# Allegro board SDHCalFEB.brd (continued)
## Routing (per net, layer and track width the routed paths; a pad name or vN(x,y) marks a point on that pad's centre or on a via; arc(x,y) is an arc through that point) (continued)
ESD_SIGNAL5_ASIC_A1: length 3.2
  TOP w0.127: C5.1 311.58,326.21 311.59,326.2 R5.2 312.78,326.2 312.79,326.2 U5.3
ESD_SIGNAL5_ASIC_A2: length 3.1
  TOP w0.127: U70.3 232.81,326.22 232.8,326.21 R89.2 231.32,326.21 231.31,326.2 C92.1
ESD_SIGNAL5_ASIC_A3: length 3.2
  TOP w0.127: C179.1 151.32,326.17 151.32,326.17 R172.2 152.79,326.17 152.81,326.16 U135.3
ESD_SIGNAL5_ASIC_A4: length 3.1
  TOP w0.127: U200.3 73.75,326.2 R255.2 70.69,326.2 C266.1
ESD_SIGNAL5_ASIC_B1: length 3.1
  TOP w0.127: C353.1 311.29,246.21 311.29,246.21 R338.2 312.79,246.21 312.8,246.22 U265.3
ESD_SIGNAL5_ASIC_B5: length 3.1
  TOP w0.127: U330.3 232.82,246.2 232.8,246.21 R422.2 231.31,246.21 231.31,246.21 C440.1
ESD_SIGNAL5_ASIC_B6: length 3.1
  TOP w0.127: 153.8,246.17 153.78,246.19 R505.2 150.72,246.19 C527.1
ESD_SIGNAL5_ASIC_B7: length 3.1
  TOP w0.127: U460.3 72.8,246.2 72.78,246.19 R588.2 71.59,246.19 71.59,246.18 C614.1
ESD_SIGNAL5_ASIC_C1: length 3.1
  TOP w0.127: C701.1 312.19,166.15 R671.2 313.75,166.15 U525.3
ESD_SIGNAL5_ASIC_C2: length 3.1
  TOP w0.127: U590.3 232.22,166.19 R755.2 230.71,166.18 C788.1
ESD_SIGNAL5_ASIC_C3: length 3.1
  TOP w0.127: U655.3 153.73,166.18 R838.2 152.19,166.17 C875.1
ESD_SIGNAL5_ASIC_C4: length 3.1
  TOP w0.127: U720.3 72.2,166.16 R921.2 70.69,166.15 C962.1
ESD_SIGNAL5_ASIC_D1: length 3.1
  TOP w0.127: C1049.1 310.7,86.17 R1004.2 312.2,86.18 U785.3
ESD_SIGNAL5_ASIC_D2: length 3
  TOP w0.127: U850.3 232.2,86.15 R1088.2 230.71,86.16 C1136.1
ESD_SIGNAL5_ASIC_D3: length 3.1
  TOP w0.127: U915.3 153.73,86.14 R1171.2 150.7,86.14 C1223.1
ESD_SIGNAL5_ASIC_D4: length 3
  TOP w0.127: C1310.1 70.72,86.14 R1254.2 72.22,86.13 U980.3
ESD_SIGNAL6_ASIC_A1: length 3
  TOP w0.127: C6.1 309.16,330.67 309.16,330.67 R6.2 310.35,330.67 310.36,330.67 U6.3
ESD_SIGNAL6_ASIC_A2: length 3.1
  TOP w0.127: U71.3 230.31,330.67 230.29,330.68 R90.2 228.83,330.68 228.82,330.7 C93.1
ESD_SIGNAL6_ASIC_A3: length 3.2
  TOP w0.127: U136.3 152.34,330.68 152.34,330.67 R173.2 151.14,330.67 151.14,330.67 C180.1
ESD_SIGNAL6_ASIC_A4: length 3.1
  TOP w0.127: U201.3 71.32,330.67 R256.2 69.72,330.67 C267.1
ESD_SIGNAL6_ASIC_B1: length 3.1
  TOP w0.127: C354.1 308.83,250.68 308.84,250.66 R339.2 310.32,250.66 310.33,250.67 U266.3
ESD_SIGNAL6_ASIC_B5: length 3.1
  TOP w0.127: U331.3 229.75,250.67 R423.2 228.26,250.66 C441.1
ESD_SIGNAL6_ASIC_B6: length 3.1
  TOP w0.127: U396.3 150.56,250.67 150.55,250.66 R506.2 149.14,250.66 149.12,250.68 C528.1
ESD_SIGNAL6_ASIC_B7: length 3.1
  TOP w0.127: U461.3 70.35,250.67 70.35,250.66 R589.2 69.15,250.66 69.14,250.65 C615.1
ESD_SIGNAL6_ASIC_C1: length 3
  TOP w0.127: C702.1 306.75,173.73 R672.2 305.21,173.74 U526.3
ESD_SIGNAL6_ASIC_C2: length 3
  TOP w0.127: U591.3 225.2,173.71 R756.2 226.74,172.22 C789.1
ESD_SIGNAL6_ASIC_C3: length 3
  TOP w0.127: U656.3 145.19,173.71 R839.2 146.73,172.22 C876.1
ESD_SIGNAL6_ASIC_C4: length 3
  TOP w0.127: U721.3 66.73,173.72 R922.2 66.74,172.22 C963.1
ESD_SIGNAL6_ASIC_D1: length 3.1
  TOP w0.127: U786.3 309.78,90.67 R1005.2 308.29,90.67 C1050.1
ESD_SIGNAL6_ASIC_D2: length 3.1
  TOP w0.127: U851.3 231.31,90.67 R1089.2 229.76,90.68 C1137.1
ESD_SIGNAL6_ASIC_D3: length 3
  TOP w0.127: U916.3 151.28,90.67 R1172.2 149.75,90.66 C1224.1
ESD_SIGNAL6_ASIC_D4: length 3
  TOP w0.127: C1311.1 68.29,90.67 R1255.2 69.78,90.67 U981.3
ESD_SIGNAL7_ASIC_A1: length 3.1
  TOP w0.127: U7.3 300.69,327.68 R7.2 300.68,327.67 C7.1
ESD_SIGNAL7_ASIC_A2: length 3.1
  TOP w0.127: U72.3 222.8,326.2 222.79,326.21 R91.2 221.6,326.21 221.59,326.2 C94.1
ESD_SIGNAL7_ASIC_A3: length 3.1
  TOP w0.127: U137.3 142.8,326.23 142.79,326.22 R174.2 141.32,326.22 141.31,326.22 C181.1
ESD_SIGNAL7_ASIC_A4: length 3.2
  TOP w0.127: C268.1 61.3,326.2 61.31,326.2 R257.2 62.2,326.77 62.18,326.79 U202.3
ESD_SIGNAL7_ASIC_B1: length 3.1
  TOP w0.127: U267.3 303.8,246.21 R340.2 300.72,246.21 C355.1
ESD_SIGNAL7_ASIC_B5: length 3.1
  TOP w0.127: U332.3 222.81,246.17 222.8,246.19 R424.2 221.3,246.19 221.3,246.18 C442.1
ESD_SIGNAL7_ASIC_B6: length 3.1
  TOP w0.127: U397.3 143.78,246.19 R507.2 140.67,246.19 C529.1
ESD_SIGNAL7_ASIC_B7: length 3.1
  TOP w0.127: C616.1 61.58,246.18 61.58,246.19 R590.2 62.99,246.19 63,246.2 U462.3
ESD_SIGNAL7_ASIC_C1: length 3.1
  TOP w0.127: C703.1 300.69,166.18 R673.2 303.75,166.18 U527.3
ESD_SIGNAL7_ASIC_C2: length 3.1
  TOP w0.127: U592.3 223.74,166.15 R757.2 220.71,166.15 C790.1
ESD_SIGNAL7_ASIC_C3: length 3.1
  TOP w0.127: U657.3 143.73,166.15 R840.2 140.7,166.15 C877.1
ESD_SIGNAL7_ASIC_C4: length 3.1
  TOP w0.127: U722.3 62.22,166.16 R923.2 60.71,166.18 C964.1
ESD_SIGNAL7_ASIC_D1: length 3
  TOP w0.127: C1051.1 300.71,86.16 R1006.2 302.2,86.15 U787.3
ESD_SIGNAL7_ASIC_D2: length 3.1
  TOP w0.127: C1138.1 220.71,86.17 R1090.2 222.21,86.15 U852.3
ESD_SIGNAL7_ASIC_D3: length 3
  TOP w0.127: C1225.1 140.7,86.17 R1173.2 143.7,86.17 U917.3
ESD_SIGNAL7_ASIC_D4: length 3
  TOP w0.127: C1312.1 60.71,86.14 R1256.2 63.72,86.14 U982.3
ESD_SIGNAL8_ASIC_A1: length 3.1
  TOP w0.127: C8.1 298.19,330.67 R8.2 299.71,330.66 U8.3
ESD_SIGNAL8_ASIC_A2: length 3
  TOP w0.127: C95.1 219.1,330.7 219.12,330.68 R92.2 220.31,330.68 220.32,330.67 U73.3
ESD_SIGNAL8_ASIC_A3: length 3.1
  TOP w0.127: U138.3 140.33,330.68 140.32,330.67 R175.2 138.85,330.67 138.85,330.67 C182.1
ESD_SIGNAL8_ASIC_A4: length 3.1
  TOP w0.127: U203.3 58.21,331.41 58.21,331.41 R258.2 57.33,332.21 57.32,332.19 C269.1
ESD_SIGNAL8_ASIC_B1: length 3.1
  TOP w0.127: U268.3 300.32,250.69 300.32,250.69 R341.2 299.12,250.69 299.11,250.7 C356.1
ESD_SIGNAL8_ASIC_B5: length 3.1
  TOP w0.127: U333.3 220.31,250.67 220.31,250.66 R425.2 219.11,250.66 219.1,250.65 C443.1
ESD_SIGNAL8_ASIC_B6: length 3.1
  TOP w0.127: C530.1 139.14,250.65 139.15,250.66 R508.2 140.55,250.66 140.55,250.67 U398.3
ESD_SIGNAL8_ASIC_B7: length 3.1
  TOP w0.127: U463.3 60.33,250.64 60.31,250.66 R591.2 59.12,250.66 59.11,250.65 C617.1
ESD_SIGNAL8_ASIC_C1: length 3.1
  TOP w0.127: C704.1 298.23,170.68 R674.2 299.75,170.68 U528.3
ESD_SIGNAL8_ASIC_C2: length 3
  TOP w0.127: C791.1 218.3,170.68 R758.2 221.31,170.68 U593.3
ESD_SIGNAL8_ASIC_C3: length 3.1
  TOP w0.127: C878.1 138.26,170.68 R841.2 139.76,170.68 U658.3
ESD_SIGNAL8_ASIC_C4: length 3.1
  TOP w0.127: C965.1 58.28,170.68 R924.2 59.77,170.68 U723.3
ESD_SIGNAL8_ASIC_D1: length 3
  TOP w0.127: U788.3 299.79,90.65 R1007.2 298.28,90.67 C1052.1
ESD_SIGNAL8_ASIC_D2: length 3.1
  TOP w0.127: C1139.1 218.27,90.67 R1091.2 219.77,90.67 U853.3
ESD_SIGNAL8_ASIC_D3: length 3
  TOP w0.127: C1226.1 138.26,90.67 R1174.2 141.27,90.67 U918.3
ESD_SIGNAL8_ASIC_D4: length 3
  TOP w0.127: U983.3 59.79,90.65 R1257.2 58.28,90.67 C1313.1
ESD_SIGNAL9_ASIC_A1: length 3
  TOP w0.127: R9.2 291.39,326.22 291.39,326.22 C9.1 290.79,326.86 290.79,326.86 U9.3
ESD_SIGNAL9_ASIC_A2: length 3.2
  TOP w0.127: C96.1 211.32,326.22 211.33,326.21 R93.2 212.21,326.78 212.2,326.79 U74.3
ESD_SIGNAL9_ASIC_A3: length 3.1
  TOP w0.127: C183.1 131.61,326.2 131.61,326.2 R176.2 132.21,326.77 132.21,326.77 U139.3
ESD_SIGNAL9_ASIC_A4: length 3.1
  TOP w0.127: U204.3 52.2,326.77 52.2,326.77 R259.2 51.6,326.2 51.6,326.2 C270.1
ESD_SIGNAL9_ASIC_B1: length 3.1
  TOP w0.127: U269.3 290.71,246.85 290.7,246.84 C357.1 291.6,246.21 291.6,246.21 R342.2
ESD_SIGNAL9_ASIC_B5: length 3.1
  TOP w0.127: U334.3 210.7,246.85 210.69,246.84 C444.1 211.29,246.21 211.29,246.21 R426.2
ESD_SIGNAL9_ASIC_B6: length 3.1
  TOP w0.127: R509.2 132.2,246.18 C531.1 130.71,246.82 130.71,246.82 U399.3
ESD_SIGNAL9_ASIC_B7: length 3.1
  TOP w0.127: R592.2 52.19,246.16 C618.1 50.7,246.79 50.7,246.79 U464.3
ESD_SIGNAL9_ASIC_C1: length 3.1
  TOP w0.127: R675.2 290.71,166.18 290.71,166.17 ; 290.71,166.17 C705.1 ; 290.71,166.17 U529.3
ESD_SIGNAL9_ASIC_C2: length 3.1
  TOP w0.127: R759.2 212.19,166.17 C792.1 210.7,166.17 U594.3
ESD_SIGNAL9_ASIC_C3: length 3.1
  TOP w0.127: R842.2 132.21,166.17 C879.1 130.71,166.17 U659.3
ESD_SIGNAL9_ASIC_C4: length 3
  TOP w0.127: U724.3 52.2,166.15 R925.2 52.19,166.15 C966.1
ESD_SIGNAL9_ASIC_D1: length 3.1
  TOP w0.127: U789.3 290.68,86.21 C1053.1 292.18,86.19 R1008.2
ESD_SIGNAL9_ASIC_D2: length 3
  TOP w0.127: C1140.1 210.7,86.17 R1092.2 212.2,86.17 U854.3
ESD_SIGNAL9_ASIC_D3: length 3
  TOP w0.127: C1227.1 130.73,86.17 R1175.2 132.21,86.17 U919.3
ESD_SIGNAL9_ASIC_D4: length 3.1
  TOP w0.127: C1314.1 50.69,86.17 R1258.2 52.2,86.17 U984.3
ESD_SIGNAL10_ASIC_A1: length 3.1
  TOP w0.127: U10.3 290.67,336.26 R10.2 290.66,334.64 C10.1
ESD_SIGNAL10_ASIC_A2: length 3.1
  TOP w0.127: C97.1 209.82,334.76 209.83,334.74 R94.2 210.69,335.34 210.68,335.35 U75.3
ESD_SIGNAL10_ASIC_A3: length 3.1
  TOP w0.127: U140.3 130.66,335.55 130.67,335.53 R177.2 130.1,334.7 130.09,334.71 C184.1
ESD_SIGNAL10_ASIC_A4: length 3.1
  TOP w0.127: C271.1 50.08,334.68 50.09,334.67 R260.2 50.66,334.07 50.67,334.07 U205.3
ESD_SIGNAL10_ASIC_B1: length 3.1
  TOP w0.127: U270.3 290.71,255.27 290.69,255.26 R343.2 290.12,254.66 290.11,254.64 C358.1
ESD_SIGNAL10_ASIC_B5: length 3.1
  TOP w0.127: R427.2 210.09,254.66 210.08,254.66 C445.1 209.17,255.3 209.17,255.3 U335.3
ESD_SIGNAL10_ASIC_B6: length 3.1
  TOP w0.127: U400.3 130.66,255.27 130.67,255.26 R510.2 129.79,254.66 129.78,254.66 C532.1
ESD_SIGNAL10_ASIC_B7: length 3.1
  TOP w0.127: C619.1 50.66,254.64 R593.2 50.67,256.19 U465.3
ESD_SIGNAL10_ASIC_C1: length 3.1
  TOP w0.127: R676.2 290.66,174.65 C706.1 289.18,174.66 U530.3
ESD_SIGNAL10_ASIC_C2: length 3
  TOP w0.127: U595.3 210.7,174.66 R760.2 209.2,174.65 C793.1
ESD_SIGNAL10_ASIC_C3: length 3
  TOP w0.127: U660.3 130.66,174.66 R843.2 129.19,174.65 C880.1
ESD_SIGNAL10_ASIC_C4: length 3
  TOP w0.127: C967.1 49.18,174.65 R926.2 50.65,174.66 U725.3
ESD_SIGNAL10_ASIC_D1: length 3
  TOP w0.127: C1054.1 289.19,94.63 R1009.2 290.68,94.64 U790.3
ESD_SIGNAL10_ASIC_D2: length 3
  TOP w0.127: C1141.1 209.2,94.64 R1093.2 210.7,94.65 U855.3
ESD_SIGNAL10_ASIC_D3: length 3
  TOP w0.127: C1228.1 129.19,94.64 R1176.2 130.66,94.65 U920.3
ESD_SIGNAL10_ASIC_D4: length 3
  TOP w0.127: U985.3 50.68,94.65 R1259.2 49.18,94.64 C1315.1
ESD_SIGNAL11_ASIC_A1: length 3.2
  TOP w0.127: U11.3 283.73,335.27 283.72,335.26 R11.2 284.61,334.67 284.62,334.67 C11.1
ESD_SIGNAL11_ASIC_A2: length 3
  TOP w0.127: U76.3 203.72,335.5 203.73,335.48 R95.2 204.3,334.73 204.31,334.72 C98.1
ESD_SIGNAL11_ASIC_A3: length 3.1
  TOP w0.127: U141.3 123.73,335.27 123.73,335.27 R178.2 C185.1
ESD_SIGNAL11_ASIC_A4: length 3.1
  TOP w0.127: C272.1 R261.2 43.72,333.31 43.72,333.32 U206.3
ESD_SIGNAL11_ASIC_B1: length 3.1
  TOP w0.127: U271.3 283.72,255.31 283.73,255.31 R344.2 C359.1
ESD_SIGNAL11_ASIC_B5: length 3.1
  TOP w0.127: U336.3 203.71,255.29 203.72,255.28 R428.2 C446.1
ESD_SIGNAL11_ASIC_B6: length 3.1
  TOP w0.127: C533.1 R511.2 123.73,255.23 123.73,255.24 U401.3
ESD_SIGNAL11_ASIC_B7: length 3.1
  TOP w0.127: U466.3 45.21,256.24 C620.1 R594.2
ESD_SIGNAL11_ASIC_C1: length 3.1
  TOP w0.127: U531.3 283.72,174.66 R677.2 285.2,174.66 C707.1
ESD_SIGNAL11_ASIC_C2: length 3
  TOP w0.127: C794.1 R761.2 203.71,174.66 U596.3
ESD_SIGNAL11_ASIC_C3: length 3
  TOP w0.127: U661.3 125.2,174.67 C881.1 123.74,174.66 R844.2
ESD_SIGNAL11_ASIC_C4: length 3.1
  TOP w0.127: C968.1 R927.2 43.72,174.63 U726.3
ESD_SIGNAL11_ASIC_D1: length 3
  TOP w0.127: C1055.1 R1010.2 283.73,96.18 U791.3
ESD_SIGNAL11_ASIC_D2: length 3
  TOP w0.127: U856.3 203.71,94.65 R1094.2 C1142.1
ESD_SIGNAL11_ASIC_D3: length 3
  TOP w0.127: C1229.1 R1177.2 123.73,94.62 U921.3
ESD_SIGNAL11_ASIC_D4: length 3
  TOP w0.127: C1316.1 R1260.2 43.72,94.65 U986.3
ESD_SIGNAL12_ASIC_A1: length 3.2
  TOP w0.127: C12.1 283.05,326.2 283.03,326.22 R12.2 282.2,326.79 282.2,326.79 U12.3
ESD_SIGNAL12_ASIC_A2: length 3.2
  TOP w0.127: U77.3 202.2,327.11 202.21,327.11 R96.2 C99.1
ESD_SIGNAL12_ASIC_A3: length 3.2
  TOP w0.127: U142.3 122.2,327.88 R179.2 123.67,326.22 C186.1
ESD_SIGNAL12_ASIC_A4: length 3.1
  TOP w0.127: U207.3 43.72,324.35 R262.2 43.72,321.31 C273.1
ESD_SIGNAL12_ASIC_B1: length 3.1
  TOP w0.127: U272.3 285.45,243.55 285.45,243.55 R345.2 285.45,242.09 285.47,242.07 C360.1
ESD_SIGNAL12_ASIC_B5: length 3.1
  TOP w0.127: U337.3 202.21,247.8 R429.2 203.7,246.21 C447.1
ESD_SIGNAL12_ASIC_B6: length 3.1
  TOP w0.127: C534.1 122.81,246.15 122.8,246.16 R512.2 122.2,246.73 122.2,246.74 U402.3
ESD_SIGNAL12_ASIC_B7: length 3.1
  TOP w0.127: U467.3 42.22,246.74 42.21,246.73 R595.2 43.1,246.16 43.12,246.15 C621.1
ESD_SIGNAL12_ASIC_C1: length 3.1
  TOP w0.127: C708.1 282.23,166.16 R678.2 282.22,167.74 U532.3
ESD_SIGNAL12_ASIC_C2: length 3.1
  TOP w0.127: U597.3 202.21,166.18 R762.2 202.22,166.16 C795.1
ESD_SIGNAL12_ASIC_C3: length 3.1
  TOP w0.127: R845.2 122.21,166.16 C882.1 123.7,166.17 U662.3
ESD_SIGNAL12_ASIC_C4: length 3
  TOP w0.127: U727.3 42.22,166.15 R928.2 43.7,166.15 C969.1
ESD_SIGNAL12_ASIC_D1: length 3.1
  TOP w0.127: U792.3 283.7,86.16 C1056.1 283.68,86.17 R1011.2
ESD_SIGNAL12_ASIC_D2: length 3
  TOP w0.127: C1143.1 202.22,86.15 R1095.2 202.21,87.7 U857.3
ESD_SIGNAL12_ASIC_D3: length 3
  TOP w0.127: U922.3 122.2,86.17 R1178.2 123.69,86.17 C1230.1
ESD_SIGNAL12_ASIC_D4: length 3
  TOP w0.127: U987.3 42.19,86.17 R1261.2 43.68,86.17 C1317.1
ESD_SIGNAL13_ASIC_A1: length 3.2
  TOP w0.127: U13.3 274.09,330.69 274.1,330.68 R13.2 275.63,330.68 275.64,330.69 C13.1
ESD_SIGNAL13_ASIC_A2: length 3.2
  TOP w0.127: C100.1 197.67,329.19 ; 197.67,329.19 197.25,329.19 196.96,329.48 U78.3 ; 197.67,329.19 R97.2
ESD_SIGNAL13_ASIC_A3: length 3.3
  TOP w0.127: R180.2 C187.1 117.26,329.17 116.76,329.67 U143.3
ESD_SIGNAL13_ASIC_B1: length 3.1
  TOP w0.127: C361.1 275.3,250.69 275.3,250.69 R346.2 274.1,250.69 274.09,250.68 U273.3
ESD_SIGNAL13_ASIC_B5: length 3.1
  TOP w0.127: C448.1 196.16,250.66 R430.2 193.05,250.66 U338.3
ESD_SIGNAL13_ASIC_B6: length 3.1
  TOP w0.127: U403.3 114.07,250.68 114.08,250.66 R513.2 115.58,250.66 115.58,250.67 C535.1
ESD_SIGNAL13_ASIC_C1: length 3.1
  TOP w0.127: U533.3 273.09,170.68 R679.2 276.13,170.68 C709.1
ESD_SIGNAL13_ASIC_C2: length 3.1
  TOP w0.127: U598.3 193.1,170.68 R763.2 196.13,170.68 C796.1
ESD_SIGNAL13_ASIC_C3: length 3.1
  TOP w0.127: U663.3 113.09,170.68 R846.2 116.12,170.68 C883.1
ESD_SIGNAL13_ASIC_D1: length 3.1
  TOP w0.127: U793.3 274.61,90.66 R1012.2 274.63,90.67 C1057.1
ESD_SIGNAL13_ASIC_D2: length 3.1
  TOP w0.127: C1144.1 196.13,90.67 R1096.2 194.63,90.66 U858.3
ESD_SIGNAL13_ASIC_D3: length 3
  TOP w0.127: U923.3 114.62,90.68 R1179.2 114.64,90.67 C1231.1
ESD_SIGNAL14_ASIC_A1: length 3.2
  TOP w0.127: R14.2 264.57,329.76 264.58,329.78 C14.1 265.22,330.38 265.21,330.39 U14.3
ESD_SIGNAL14_ASIC_A2: length 3.2
  TOP w0.127: U79.3 185.28,330.29 185.28,330.29 C101.1 184.65,329.69 184.64,329.7 R98.2
ESD_SIGNAL14_ASIC_A3: length 3.1
  TOP w0.127: U144.3 105.22,331.28 C188.1 R181.2
ESD_SIGNAL14_ASIC_B1: length 3.1
  TOP w0.127: U274.3 265.23,250.34 265.23,250.34 C362.1 264.63,249.7 264.63,249.71 R347.2
ESD_SIGNAL14_ASIC_B5: length 3.1
  TOP w0.127: U339.3 185.21,251.29 C449.1 R431.2
ESD_SIGNAL14_ASIC_B6: length 3.1
  TOP w0.127: 105.26,251.33 105.26,250.36 105.25,250.36 C536.1 R514.2
ESD_SIGNAL14_ASIC_C1: length 3.1
  TOP w0.127: U534.3 265.23,169.76 C710.1 R680.2
ESD_SIGNAL14_ASIC_C2: length 3
  TOP w0.127: R764.2 C797.1 185.21,171.29 U599.3
ESD_SIGNAL14_ASIC_C3: length 3
  TOP w0.127: R847.2 C884.1 105.21,169.78 U664.3
ESD_SIGNAL14_ASIC_D1: length 3
  TOP w0.127: C1058.1 R1013.2 263.73,89.77 U794.3
ESD_SIGNAL14_ASIC_D2: length 3
  TOP w0.127: U859.3 185.2,89.78 C1145.1 R1097.2
ESD_SIGNAL14_ASIC_D3: length 3
  TOP w0.127: U924.3 105.21,89.81 C1232.1 R1180.2
ESD_SIGNAL15_ASIC_A1: length 3.1
  TOP w0.127: U15.3 279.66,312.81 279.66,312.8 C15.1 280.59,312.2 280.6,312.2 R15.2
ESD_SIGNAL15_ASIC_A2: length 3.1
  TOP w0.127: U80.3 199.65,312.82 199.66,312.81 C102.1 200.29,312.22 200.3,312.21 R99.2
ESD_SIGNAL15_ASIC_A3: length 3.2
  TOP w0.127: R182.2 C189.1 119.57,313.03 119.56,313.04 U145.3
ESD_SIGNAL15_ASIC_A4: length 3.1
  TOP w0.127: U210.3 39.22,314.03 39.21,314.02 R265.2 C276.1
ESD_SIGNAL15_ASIC_B1: length 3.1
  TOP w0.127: U275.3 279.61,232.82 279.62,232.8 C363.1 R348.2
ESD_SIGNAL15_ASIC_B5: length 3.1
  TOP w0.127: R432.2 C450.1 199.64,232.8 199.65,232.81 U340.3
ESD_SIGNAL15_ASIC_B6: length 3.1
  TOP w0.127: U405.3 119.66,232.82 119.68,232.8 C537.1 R515.2
ESD_SIGNAL15_ASIC_B7: length 3.1
  TOP w0.127: U470.3 39.67,233.76 C624.1 R598.2
ESD_SIGNAL15_ASIC_C1: length 3.1
  TOP w0.127: U535.3 279.68,152.21 C711.1 R681.2
ESD_SIGNAL15_ASIC_C2: length 3.1
  TOP w0.127: U600.3 199.67,152.2 C798.1 R765.2
ESD_SIGNAL15_ASIC_C3: length 3
  TOP w0.127: R848.2 C885.1 119.69,152.2 U665.3
ESD_SIGNAL15_ASIC_C4: length 3
  TOP w0.127: R931.2 C972.1 39.7,152.2 U730.3
ESD_SIGNAL15_ASIC_D1: length 3
  TOP w0.127: U795.3 279.7,73.73 C1059.1 R1014.2
ESD_SIGNAL15_ASIC_D2: length 3
  TOP w0.127: U860.3 199.69,73.73 C1146.1 R1098.2
ESD_SIGNAL15_ASIC_D3: length 3
  TOP w0.127: R1181.2 C1233.1 119.71,72.22 U925.3
ESD_SIGNAL15_ASIC_D4: length 3
  TOP w0.127: R1264.2 C1320.1 39.19,76.17 U990.3
ESD_SIGNAL16_ASIC_A1: length 3
  TOP w0.127: U16.3 276.14,319.9 276.14,319.9 C16.1 275.54,320.67 275.53,320.67 R16.2
ESD_SIGNAL16_ASIC_A2: length 3.1
  TOP w0.127: R100.2 195.58,320.68 195.59,320.69 C103.1 196.19,319.87 196.18,319.86 U81.3
ESD_SIGNAL16_ASIC_A3: length 3.1
  TOP w0.127: U146.3 116.15,320.02 116.15,320.03 C190.1 115.56,320.66 115.55,320.67 R183.2
ESD_SIGNAL16_ASIC_B1: length 3.1
  TOP w0.127: R349.2 275.3,240.68 275.3,240.68 C364.1 276.21,240.04 276.22,240.04 U276.3
ESD_SIGNAL16_ASIC_B5: length 3.1
  TOP w0.127: U341.3 196.16,239.84 196.16,239.84 C451.1 195.57,240.66 195.55,240.68 R433.2
ESD_SIGNAL16_ASIC_B6: length 3.1
  TOP w0.127: R516.2 115.55,240.68 115.56,240.69 C538.1 116.15,239.89 116.15,239.89 U406.3
ESD_SIGNAL16_ASIC_C1: length 3.1
  TOP w0.127: R682.2 276.14,160.67 C712.1 276.15,159.11 U536.3
ESD_SIGNAL16_ASIC_C2: length 3
  TOP w0.127: U601.3 196.14,159.13 C799.1 196.13,160.67 R766.2
ESD_SIGNAL16_ASIC_C3: length 3
  TOP w0.127: U666.3 116.15,159.13 C886.1 116.15,160.67 R849.2
ESD_SIGNAL16_ASIC_D1: length 3
  TOP w0.127: 276.12,80.66 C1060.1 ; 276.12,80.66 U796.3 ; 276.12,80.66 276.12,80.66 R1015.2
ESD_SIGNAL16_ASIC_D2: length 3
  TOP w0.127: U861.3 196.14,79.12 C1147.1 196.13,80.66 R1099.2
ESD_SIGNAL16_ASIC_D3: length 3.1
  TOP w0.127: R1182.2 116.11,80.69 C1234.1 116.13,79.12 U926.3
ESD_SIGNAL17_ASIC_A1: length 3.1
  TOP w0.127: C17.1 266.2,321.34 266.22,321.36 R17.2 266.22,322.79 266.23,322.8 U17.3
ESD_SIGNAL17_ASIC_A2: length 3.1
  TOP w0.127: U82.3 186.22,322.8 186.21,322.8 R101.2 C104.1
ESD_SIGNAL17_ASIC_A3: length 3.1
  TOP w0.127: C191.1 106.21,320.76 R184.2 106.21,323.79 U147.3
ESD_SIGNAL17_ASIC_B1: length 3.1
  TOP w0.127: C365.1 266.22,241.6 266.2,241.62 R350.2 266.2,243.81 U277.3
ESD_SIGNAL17_ASIC_B5: length 3.1
  TOP w0.127: U342.3 186.21,242.82 186.22,242.81 R434.2 186.22,241.36 186.23,241.35 C452.1
ESD_SIGNAL17_ASIC_B6: length 3.1
  TOP w0.127: C539.1 106.2,241.32 106.18,241.34 R517.2 106.18,242.79 106.18,242.79 U407.3
ESD_SIGNAL17_ASIC_C1: length 3.1
  TOP w0.127: U537.3 266.17,162.21 R683.2 266.18,160.71 C713.1
ESD_SIGNAL17_ASIC_C2: length 3.1
  TOP w0.127: U602.3 186.16,162.21 R767.2 186.17,160.72 C800.1
ESD_SIGNAL17_ASIC_C3: length 3.1
  TOP w0.127: C887.1 106.18,160.71 R850.2 106.18,162.21 U667.3
ESD_SIGNAL17_ASIC_D1: length 3.1
  TOP w0.127: C1061.1 266.17,82.18 R1016.2 266.15,82.2 U797.3
ESD_SIGNAL17_ASIC_D2: length 3.1
  TOP w0.127: U862.3 186.16,82.2 R1100.2 186.17,80.71 C1148.1
ESD_SIGNAL17_ASIC_D3: length 3
  TOP w0.127: C1235.1 106.16,80.7 R1183.2 106.15,82.2 U927.3
ESD_SIGNAL18_ASIC_A1: length 3.1
  TOP w0.127: U18.3 260.93,319.39 260.91,319.4 R18.2 261.82,320.21 261.82,320.21 C18.1
ESD_SIGNAL18_ASIC_A2: length 3.1
  TOP w0.127: U83.3 181.74,318.42 C105.1 181.72,320.07 R102.2
ESD_SIGNAL18_ASIC_A3: length 3.1
  TOP w0.127: C192.1 102.4,319.53 R185.2 100.92,317.94 U148.3
ESD_SIGNAL18_ASIC_A4: length 3
  TOP w0.127: C279.1 32.88,319.98 32.89,319.99 R268.2 33.49,320.87 33.49,320.87 U213.3
ESD_SIGNAL18_ASIC_B1: length 3.1
  TOP w0.127: C366.1 261.62,239.49 261.62,239.5 R351.2 261.04,238.9 261.06,238.89 U278.3
ESD_SIGNAL18_ASIC_B5: length 3.1
  TOP w0.127: R435.2 181.73,239.62 181.74,239.62 C453.1 182.65,238.98 182.65,238.98 U343.3
ESD_SIGNAL18_ASIC_B6: length 3.1
  TOP w0.127: U408.3 102.82,238.05 C540.1 102.22,239.64 102.22,239.65 R518.2
ESD_SIGNAL18_ASIC_B7: length 3
  TOP w0.127: C627.1 32.91,237.76 32.92,237.76 R601.2 33.52,238.65 33.52,238.65 U473.3
ESD_SIGNAL18_ASIC_C1: length 3.1
  TOP w0.127: U538.3 262.81,159.17 C714.1 262.81,159.18 R684.2
ESD_SIGNAL18_ASIC_C2: length 3.1
  TOP w0.127: R768.2 182.7,159.59 C801.1 182.7,158.02 U603.3
ESD_SIGNAL18_ASIC_C3: length 3
  TOP w0.127: U668.3 102.28,159.38 C888.1 102.28,159.38 R851.2
ESD_SIGNAL18_ASIC_C4: length 3
  TOP w0.127: U733.3 32.62,156.56 R934.2 32.61,155.07 C975.1
ESD_SIGNAL18_ASIC_D1: length 3
  TOP w0.127: U798.3 261.26,79.24 R1017.2 262.73,79.25 C1062.1
ESD_SIGNAL18_ASIC_D2: length 3
  TOP w0.127: R1101.2 183,79.27 C1149.1 183,79.27 U863.3
ESD_SIGNAL18_ASIC_D3: length 3.1
  TOP w0.127: U928.3 101.43,77.79 R1184.2 102.92,79.32 C1236.1
ESD_SIGNAL18_ASIC_D4: length 3
  TOP w0.127: U993.3 29.34,72.17 R1267.2 30.83,72.16 C1323.1
ESD_SIGNAL19_ASIC_A1: length 3.1
  TOP w0.127: C19.1 271.12,311.33 271.14,311.35 R19.2 271.14,312.79 271.13,312.81 U19.3
ESD_SIGNAL19_ASIC_A2: length 3
  TOP w0.127: C106.1 191.17,311.32 191.19,311.33 R103.2 191.19,312.79 191.17,312.81 U84.3
ESD_SIGNAL19_ASIC_A3: length 3.1
  TOP w0.127: C193.1 111.14,311.34 111.14,311.34 R186.2 111.14,312.79 111.13,312.8 U149.3
ESD_SIGNAL19_ASIC_B1: length 3.1
  TOP w0.127: C367.1 271.12,231.31 271.11,231.31 R352.2 271.11,232.8 271.1,232.82 U279.3
ESD_SIGNAL19_ASIC_B5: length 3.1
  TOP w0.127: C454.1 191.16,231.31 191.15,231.31 R436.2 191.15,232.8 191.14,232.82 U344.3
ESD_SIGNAL19_ASIC_B6: length 3.1
  TOP w0.127: U409.3 111.15,232.82 111.17,232.8 R519.2 C541.1
ESD_SIGNAL19_ASIC_C1: length 3.1
  TOP w0.127: C715.1 271.19,150.7 R685.2 271.2,152.21 U539.3
ESD_SIGNAL19_ASIC_C2: length 3.1
  TOP w0.127: C802.1 191.18,150.7 R769.2 191.16,152.21 U604.3
ESD_SIGNAL19_ASIC_C3: length 3.1
  TOP w0.127: U669.3 111.15,152.21 R852.2 111.17,150.7 C889.1
ESD_SIGNAL19_ASIC_D1: length 3.1
  TOP w0.127: U799.3 271.17,72.2 R1018.2 271.19,70.69 C1063.1
ESD_SIGNAL19_ASIC_D2: length 3
  TOP w0.127: U864.3 191.19,72.2 R1102.2 191.2,70.68 C1150.1
ESD_SIGNAL19_ASIC_D3: length 3
  TOP w0.127: U929.3 111.18,72.2 R1185.2 111.19,70.7 C1237.1
ESD_SIGNAL20_ASIC_A1: length 3.2
  TOP w0.127: U20.3 264.68,314.28 264.7,314.26 R20.2 265.7,313.66 265.71,313.67 C20.1
ESD_SIGNAL20_ASIC_A2: length 3.2
  TOP w0.127: R104.2 185.7,313.66 185.71,313.65 C107.1 186.31,314.29 186.29,314.3 U85.3
ESD_SIGNAL20_ASIC_A3: length 3.1
  TOP w0.127: U150.3 104.78,315.29 R187.2 106.24,313.66 C194.1
ESD_SIGNAL20_ASIC_B1: length 3.1
  TOP w0.127: C368.1 265.62,233.68 265.62,233.68 R353.2 264.73,234.28 264.72,234.28 U280.3
ESD_SIGNAL20_ASIC_B5: length 3.1
  TOP w0.127: U345.3 186.19,234.31 186.18,234.31 C455.1 185.27,233.68 185.26,233.68 R437.2
ESD_SIGNAL20_ASIC_B6: length 3.1
  TOP w0.127: U410.3 106.2,234.31 106.2,234.31 C542.1 105.6,233.68 105.6,233.68 R520.2
ESD_SIGNAL20_ASIC_C1: length 3
  TOP w0.127: U540.3 266.2,153.67 C716.1 264.71,153.67 R686.2
ESD_SIGNAL20_ASIC_C2: length 3
  TOP w0.127: U605.3 186.19,153.67 C803.1 186.18,153.67 R770.2
ESD_SIGNAL20_ASIC_C3: length 3
  TOP w0.127: U670.3 106.2,153.67 C890.1 104.71,153.67 R853.2
ESD_SIGNAL20_ASIC_D1: length 3
  TOP w0.127: U800.3 266.17,73.65 C1064.1 264.69,73.65 R1019.2
ESD_SIGNAL20_ASIC_D2: length 3
  TOP w0.127: R1103.2 186.18,73.69 C1151.1 186.19,73.7 U865.3
ESD_SIGNAL20_ASIC_D3: length 3
  TOP w0.127: U930.3 104.68,73.67 R1186.2 106.17,73.66 C1238.1
ESD_SIGNAL21_ASIC_A1: length 3.1
  TOP w0.127: C21.1 263.78,311.45 263.77,311.45 R21.2 262.89,310.64 262.88,310.62 U21.3
ESD_SIGNAL21_ASIC_A2: length 3.2
  TOP w0.127: U86.3 182.36,311.07 182.35,311.09 R105.2 183.86,311.68 C108.1
ESD_SIGNAL21_ASIC_A3: length 3.1
  TOP w0.127: C195.1 104.03,311.28 R188.2 102.52,309.69 U151.3
ESD_SIGNAL21_ASIC_A4: length 3
  TOP w0.127: U216.3 29.55,322 29.57,322.01 R271.2 30.3,321.44 30.29,321.43 C282.1
ESD_SIGNAL21_ASIC_B1: length 3.1
  TOP w0.127: U281.3 262.2,230.59 262.19,230.61 R354.2 263.08,231.44 263.08,231.44 C369.1
ESD_SIGNAL21_ASIC_B5: length 3.1
  TOP w0.127: C456.1 182.68,231.52 182.67,231.52 R438.2 182.1,230.92 182.11,230.91 U346.3
ESD_SIGNAL21_ASIC_B6: length 3.1
  TOP w0.127: U411.3 103.68,230.78 103.68,230.78 C543.1 102.77,231.42 102.76,231.42 R521.2
ESD_SIGNAL21_ASIC_B7: length 3
  TOP w0.127: C630.1 30.32,238.87 30.33,238.88 R604.2 29.73,239.77 29.72,239.78 U476.3
ESD_SIGNAL21_ASIC_C1: length 3.1
  TOP w0.127: R687.2 263.7,151.41 C717.1 263.7,149.84 U541.3
ESD_SIGNAL21_ASIC_C2: length 3
  TOP w0.127: U606.3 182.27,151.4 R771.2 183.74,151.41 C804.1
ESD_SIGNAL21_ASIC_C3: length 3
  TOP w0.127: R854.2 103.7,151.38 C891.1 103.7,151.38 U671.3
ESD_SIGNAL21_ASIC_C4: length 3
  TOP w0.127: U736.3 29.83,157.71 R937.2 29.84,157.7 C978.1
ESD_SIGNAL21_ASIC_D1: length 3
  TOP w0.127: U801.3 263.79,69.86 C1065.1 263.78,71.4 R1020.2
